# Altium PCB drac_v3.PcbDoc (part 2 of 5) (continued)
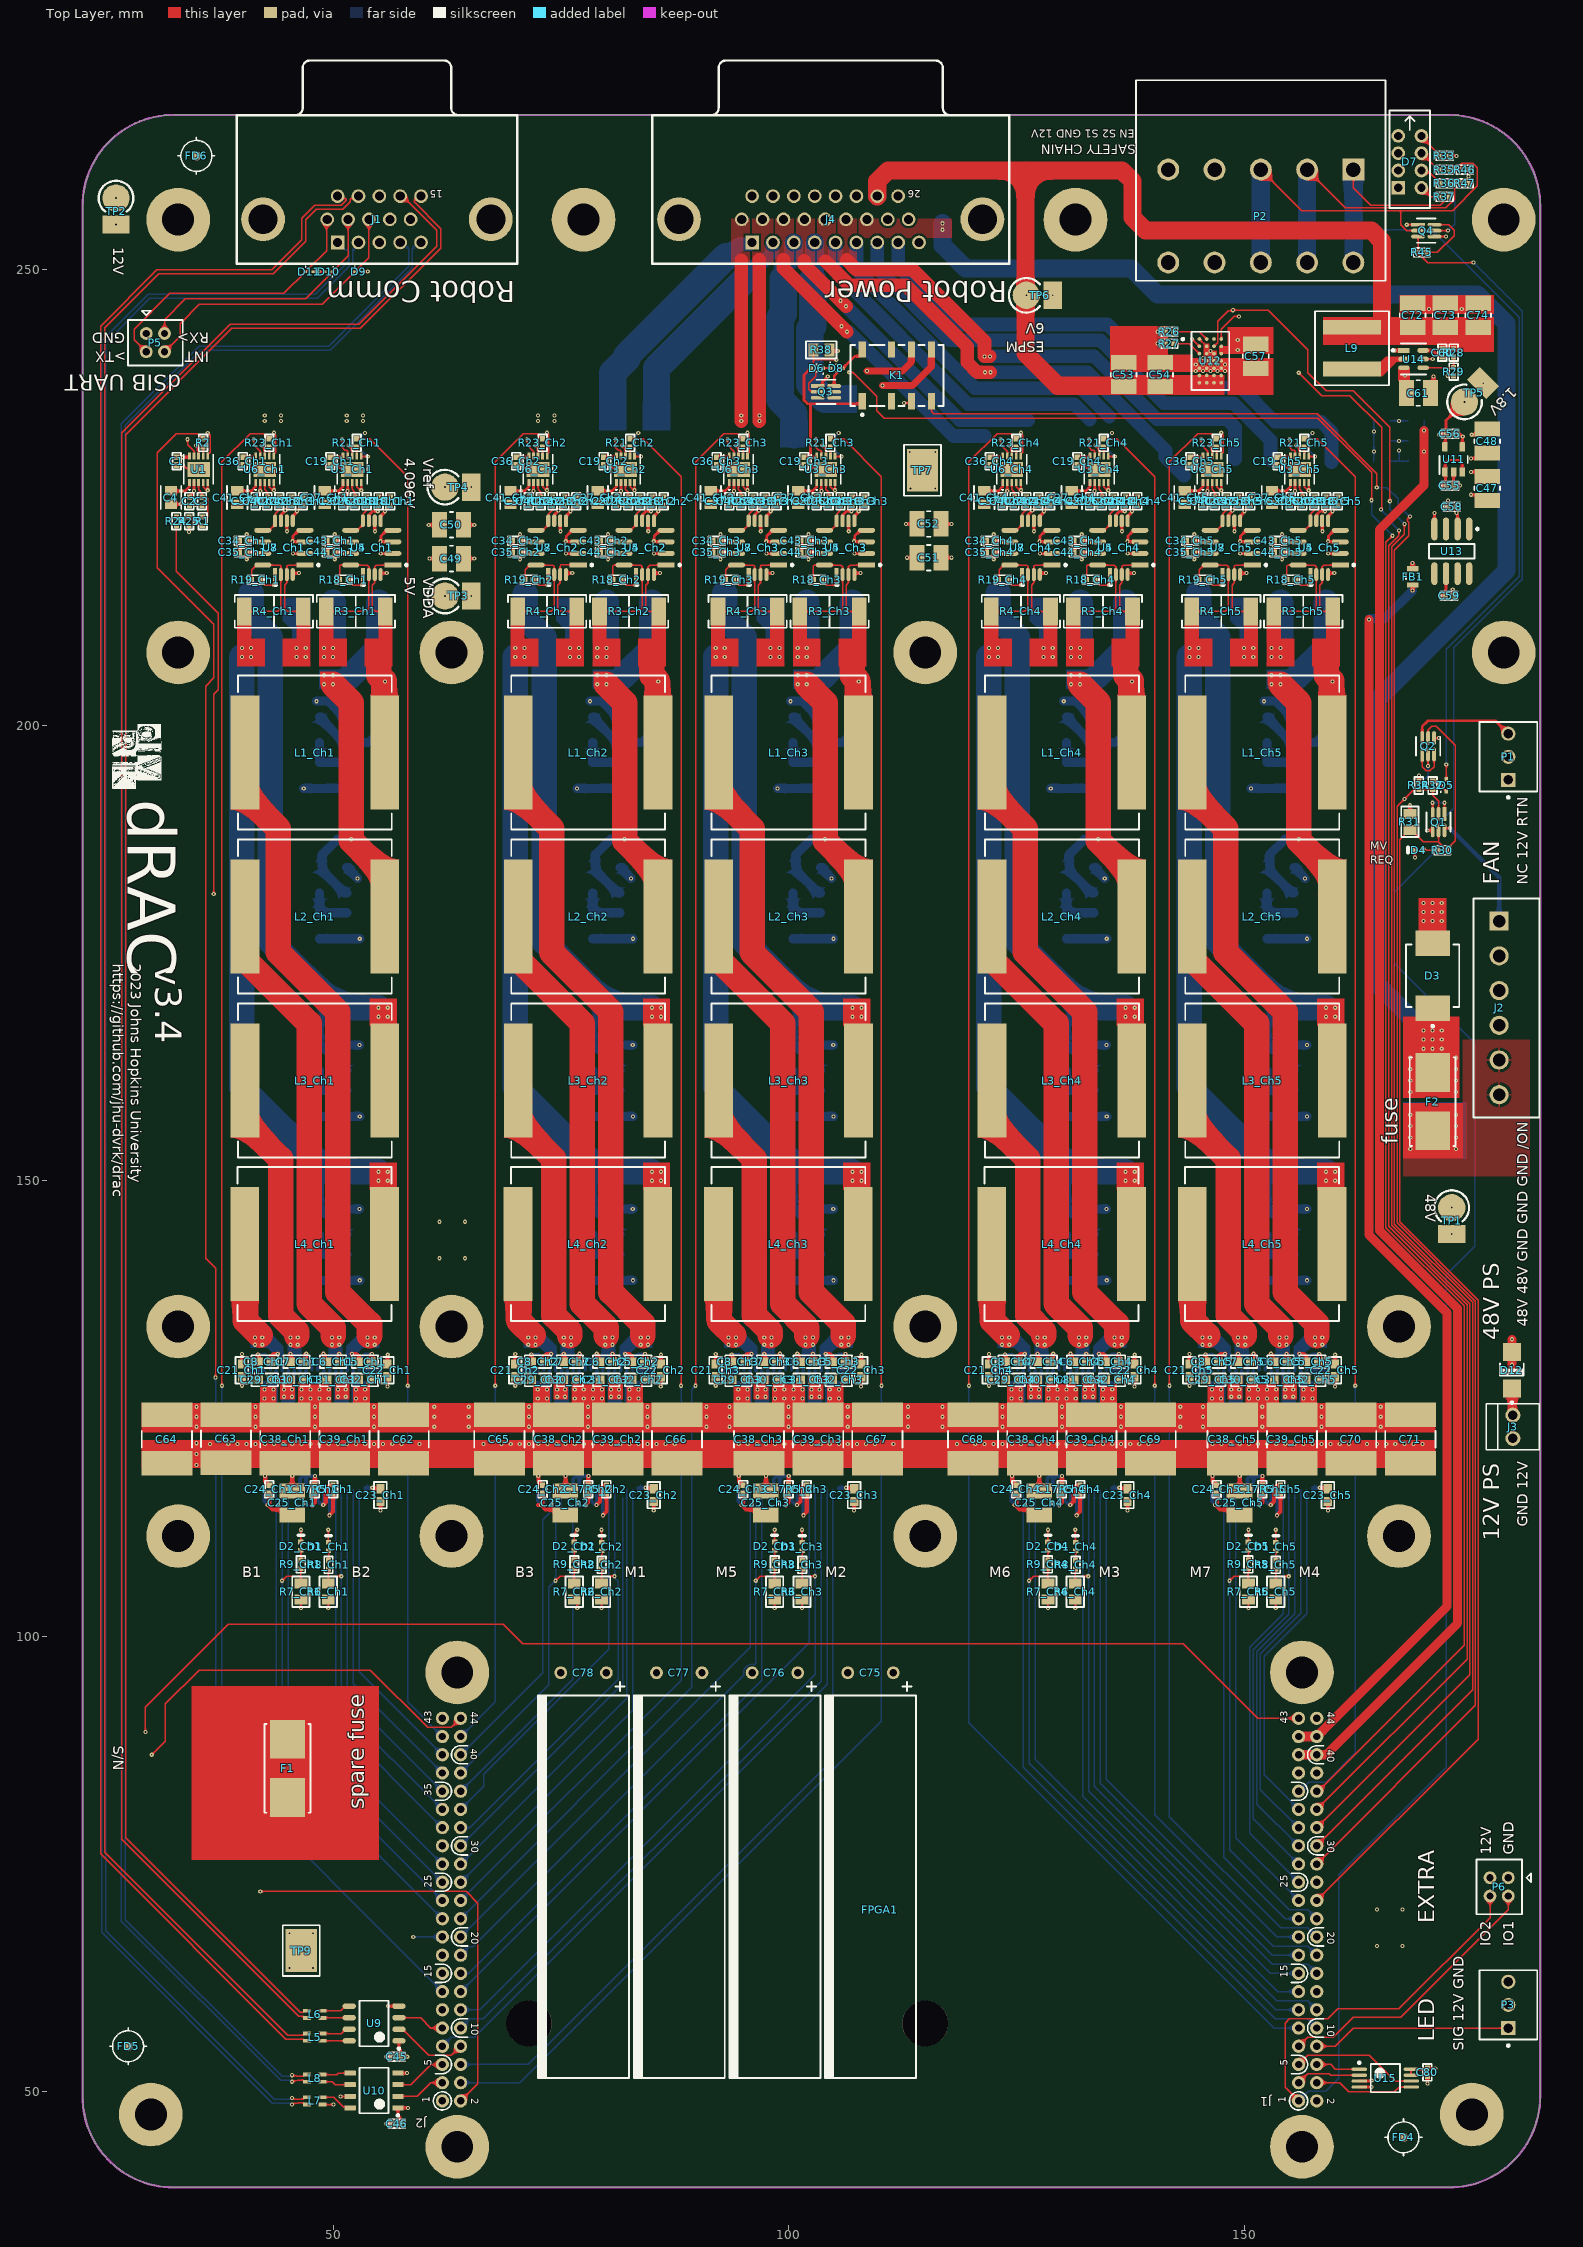
[diagram p0: Top Layer view]
## Part data (continued)
C26_Ch1 C26_Ch2 C26_Ch3 C26_Ch4 C26_Ch5 C40_Ch1 C40_Ch2 C40_Ch3 C40_Ch4 C40_Ch5: library part 04023C102KAT2A, "CAP CER 1000PF 25V X7R 0402", Capacitance=1000pF, Device Package="0402 (1005 Metric)", Manufacturer="AVX Corporation", Operating Temperature="-55°C ~ 125°C", Supplier Part Number 1=478-6193-1-ND, Temperature Coefficient=X7R, Tolerance=±10%, Voltage - Rated=25V, Applications="General Purpose", ComponentLink1Description=Datasheet, ComponentLink1URL=http://datasheets.avx.com/X7RDielectric.pdf, ComponentLink2Description="DigiKey Link", ComponentLink2URL=http://digikey.com/product-detail/en/avx-corporation/04023C102KAT2A/478-6193-1-ND/2391392, LastUpdated="2020-09-02 01:02:20.597000", Lifecycle Status=Active, Minimum Order=1, Mounting Type="Surface Mount, MLCC", Package / Case="0402 (1005 Metric)", Packaging=TapeAndReel, Part Number=04023C102KAT2A, Part Status=Active, PartId=3384, Price=0.01, Series=-, Size / Dimension="0.039 L x 0.020 W (1.00mm x 0.50mm)", Supplier 1=DigiKey, Thickness (Max)="0.022 (0.56mm)"
C38_Ch1 C38_Ch2 C38_Ch3 C38_Ch4 C38_Ch5 C39_Ch1 C39_Ch2 C39_Ch3 C39_Ch4 C39_Ch5 C62 C63 C64 C65 C66 C67 C68 C69 C70 C71: library part CMP-06035-003571-1, "CAP CER 22UF 100V X7R SMD", Capacitance=22uF, Case/Package=SMD/SMT, Max Operating Temperature=125°C, Min Operating Temperature=-55°C, Tolerance=20%, Voltage Rating=100V, Lead/Base Style=J-Lead, Mount="Surface Mount", Packaging="Cut Tape", Supplier 1="Arrow Electronics", Supplier Part Number 1=KRM55WR72A226MH01L
C55 C56 C58 C59: library part GRM155R70J105KA12J, "CAP CER 1UF 6.3V X7R 0402", Device Package="0402 (1005 Metric)", Manufacturer="Murata Electronics", Operating Temperature="-55°C ~ 125°C", Supplier Part Number 1=490-13339-1-ND, Temperature Coefficient=X7R, Tolerance=±10%, Voltage - Rated=6.3V, Applications="General Purpose", Capacitance=1µF, ComponentLink1Description=Datasheet, ComponentLink1URL=https://search.murata.co.jp/Ceramy/image/img/A01X/G101/ENG/GRM155R70J105KA12-01.pdf, ComponentLink2Description="DigiKey Link", ComponentLink2URL=http://digikey.com/product-detail/en/murata-electronics/GRM155R70J105KA12J/490-13339-1-ND/5973350, LastUpdated="9/2/2020 1:02:22 AM", Lifecycle Status=Active, Minimum Order=1, Mounting Type="Surface Mount, MLCC", Package / Case="0402 (1005 Metric)", Packaging=TapeAndReel, Part Number=GRM155R70J105KA12J, Part Status=Active, PartId=2890, Price=0.01, Series=GRM, Size / Dimension="0.039\" L x 0.020\" W (1.00mm x 0.50mm)", Supplier 1=DigiKey, Thickness (Max)="0.022\" (0.55mm)"
C75 C76 C77 C78: library part "Polarised Capacitor", "TXW Series 100 V 220 uF 10 x 40 mm LS=5 mm Radial Aluminum Electrolytic", Capacitance=220uF, Case/Package=Radial, Manufacturer=Rubycon, Manufacturer Part Number=100TXW220MEFC10X40, Max Operating Temperature=105°C, Min Operating Temperature=-25°C, Package Quantity=500, Ripple Current=1.3A, Supplier Part Number 1=08X4753, Tolerance=20%, Voltage Rating=100V, Category="Aluminum Electrolytic Capacitors", ComponentLink1Description=https://datasheet.ciiva.com/6315/e-txw-6315783.pdf?src-supplier=Digi-Key, ComponentLink1URL=https://datasheet.ciiva.com/6315/e-txw-6315783.pdf?src-supplier=Digi-Key, ComponentLink2Description=https://datasheet.ciiva.com/22732/1910944-22732303.pdf?src-supplier=Element14, ComponentLink2URL=https://datasheet.ciiva.com/22732/1910944-22732303.pdf?src-supplier=Element14, Diameter=10mm, Height=40mm, Height - Seated (Max)=1.654inch, Lead Free="Lead Free", Lead Pitch=0.197inch, Life (Hours)=10000Hour, Mount="Through Hole", Packaging=Bulk, Pricing 1="1=2.39000, 10=1.89000, 25=1.76000, 50=1.64000, 100=1.41000, 500=1.07000 (USD)", REACH SVHC="No SVHC", RoHS=Yes, RoHS Compliant=Yes, Series=TXW, Stock 1=1030, Supplier 1=Newark, Voltage Rating (DC)=100V
D1_Ch1 D1_Ch2 D1_Ch3 D1_Ch4 D1_Ch5 D2_Ch1 D2_Ch2 D2_Ch3 D2_Ch4 D2_Ch5 D4: "LED ORANGE CLEAR CHIP SMD", Case Code (Imperial)=0402, Case Code (Metric)=1005, Color=Orange, Forward Current=20mA, Forward Voltage=2.1V, Lens Color=Clear, Manufacturer=Kingbright, Manufacturer Part Number=APHHS1005SECK, Max Operating Temperature=85°C, Min Operating Temperature=-40°C, Package Quantity=2000, Supplier Part Number 1=754-1103-1-ND, Case/Package=0402, Category=LEDs, ComponentLink1Description=https://datasheet.ciiva.com/2114/aphhs1005seck-2114149.pdf?src-supplier=Digi-Key, ComponentLink1URL=https://datasheet.ciiva.com/2114/aphhs1005seck-2114149.pdf?src-supplier=Digi-Key, ComponentLink2Description=https://datasheet.ciiva.com/4688/aphhs1005seck-36485-4688716.pdf?src-supplier=Mouser, ComponentLink2URL=https://datasheet.ciiva.com/4688/aphhs1005seck-36485-4688716.pdf?src-supplier=Mouser, ComponentLink3Description=https://datasheet.ciiva.com/2114/aphhs1005seck-2114150.pdf?src-supplier=Digi-Key, ComponentLink3URL=https://datasheet.ciiva.com/2114/aphhs1005seck-2114150.pdf?src-supplier=Digi-Key, ComponentLink4Description=https://datasheet.ciiva.com/16412/aphhs1005seck-16412186.pdf?src-supplier=Future+Electronics, ComponentLink4URL=https://datasheet.ciiva.com/16412/aphhs1005seck-16412186.pdf?src-supplier=Future+Electronics, ComponentLink5Description=https://datasheet.ciiva.com/2114/aphhs1005seck-2114151.pdf?src-supplier=Digi-Key, ComponentLink5URL=https://datasheet.ciiva.com/2114/aphhs1005seck-2114151.pdf?src-supplier=Digi-Key, Dominant Wavelength=601nm, Height=0.6mm, Illumination Color=Orange, Lead Free="Lead Free", Length=1mm, Lens Style=Clear,Flat, Luminous Intensity=240mcd, Mount="Surface Mount", Number of LEDs=1, Number of Pins=2, Packaging="Tape and Reel", Pricing 1="1=0.49000, 10=0.32500, 100=0.21700, 500=0.15010, 1000=0.12508 (USD)", RoHS=Yes, RoHS Compliant=Yes, Series=APHHS, Stock 1=25673, Supplier 1=Digi-Key, Test Current=20mA, Viewing Angle=120°, Wavelength=601nm, Width=0.5mm
D3: library part CMP-1061-00550-1, "1500 W Peak Power Zener Transient Voltage Suppressor, Unidirectional, 2-Pin SMC, Pb-Free, Tape and Reel", Manufacturer="On Semiconductor", ComponentLink1Description="Manufacturer URL", ComponentLink1URL=http://www.onsemi.com/, ComponentLink2Description=Datasheet, ComponentLink2URL=http://www.onsemi.com/pub_link/Collateral/1SMC5.0AT3-D.PDF, ComponentLink3Description="Package Specification", ComponentLink3URL=http://www.onsemi.com/pub_link/Collateral/403-03.PDF, DatasheetVersion="Rev. 8", Direction=Unidirectional, IR Max (uA)=5, Mounting Technology="Surface Mount", PackageDescription="2-Pin Small Molded Package, J-Bend Lead, Body 5.845 x 6.855 mm", PackageReference=SMC-2-403-03, PackageVersion="Rev. E, 08/2005", Packing="Tape and Reel", PartNumber=1SMC48AT3G, PPK Max (W)=1500, RoHS=Pb-Free, V(BR) Typ (V)=56.1
D5 D6 D8: library part CMP-1060-00793-1, "Zener Voltage Regulator, 500 mW, 2-Pin SOD-523, Pb-Free, Tape and Reel", Manufacturer="On Semiconductor", ComponentLink1Description="Manufacturer URL", ComponentLink1URL=http://www.onsemi.com/, ComponentLink2Description=Datasheet, ComponentLink2URL=http://www.onsemi.cn/pub_link/Collateral/MM5Z2V4T1-D.PDF, ComponentLink3Description="Package Specification", ComponentLink3URL=http://www.onsemi.com/pub_link/Collateral/502-01.PDF, DatasheetVersion="Rev. 10", Mounting Technology="Surface Mount", P Max (W)=0.5, PackageDescription="2-Pin SOD, Body 1.2 x 0.8 mm", PackageReference=SOD-523-2-502-01, PackageVersion="Rev. E, 09/2010", Packing="Tape and Reel", PartNumber=MM5Z15VT1G, RoHS=Pb-Free, VZ Typ (V)=15
D7: "Triple Green T-1 3mm 40° Green Diffused 30 mcd 2.2 V LED Indicator Through Hole", Color=Green, Current=25mA, Forward Current=20mA, Forward Voltage=2.2V, Manufacturer=Kingbright, Package Quantity=600, Supplier Part Number 1=754-1749-5-ND, Category=LEDs, ComponentLink1Description=https://datasheet.ciiva.com/26291/wp934sb-4gd-26291283.pdf?src-supplier=Digi-Key, ComponentLink1URL=https://datasheet.ciiva.com/26291/wp934sb-4gd-26291283.pdf?src-supplier=Digi-Key, ComponentLink2Description=https://datasheet.ciiva.com/12414/wp934sb-4gd-13439-12414341.pdf?src-supplier=Mouser, ComponentLink2URL=https://datasheet.ciiva.com/12414/wp934sb-4gd-13439-12414341.pdf?src-supplier=Mouser, ComponentLink3Description=https://datasheet.ciiva.com/2137/wp934sb-4gd-2137244.pdf?src-supplier=Digi-Key, ComponentLink3URL=https://datasheet.ciiva.com/2137/wp934sb-4gd-2137244.pdf?src-supplier=Digi-Key, Illumination Color=Green, Lead Free="Lead Free", Lens Style=Diffused,Tinted, Luminous Intensity=25mcd, Manufacturer Part Number=WP934SB/4GD, Mount="Through Hole", Packaging=Bulk, Pricing 1="1=1.91000, 10=1.20600, 100=0.89230, 500=0.81992, 1000=0.68250 (USD)", RoHS=Yes, RoHS Compliant=Yes, Series=-, Stock 1=28787, Supplier 1=Digi-Key, Viewing Angle=40°, Voltage Rating=2.2V, Wavelength=568nm
D9 D10 D11: library part CMP-1063-00113-1, "Transient Voltage Suppressor, ESD Protection Diode with Ultra-Low Capacitance, 2-Pin SOD-923, Pb-Free, Tape and Reel", Manufacturer="On Semiconductor", C Max (pF)=0.9, ComponentLink1Description="Manufacturer URL", ComponentLink1URL=http://www.onsemi.com/, ComponentLink2Description=Datasheet, ComponentLink2URL=http://www.onsemi.cn/pub_link/Collateral/ESD9L-D.PDF, ComponentLink3Description="Package Specification", ComponentLink3URL=http://www.onsemi.com/pub_link/Collateral/514AB.PDF, DatasheetVersion="Rev. 5", Direction=Unidirectional, IR Max (uA)=1, Mounting Technology="Surface Mount", Number of Lines=1, PackageDescription="2-Pin SOD, Body 0.8 x 0.6 mm", PackageReference=SOD-923-2-514AB-01, PackageVersion="Rev. C, 03/2011", Packing="Tape and Reel", PartNumber=ESD9L3.3ST5G, RoHS=Pb-Free, V(BR) Min (V)=4.8, VRWM Max (V)=3.3
D12: library part CMP-1061-00233-1, "400 W Peak Power Zener Transient Voltage Suppressor, 2-Pin SMA, Pb-Free, Tape and Reel", Manufacturer="On Semiconductor", ComponentLink1Description="Manufacturer URL", ComponentLink1URL=http://www.onsemi.com/, ComponentLink2Description=Datasheet, ComponentLink2URL=http://www.onsemi.com/pub_link/Collateral/1SMA5.0AT3-D.PDF, ComponentLink3Description="Package Specification", ComponentLink3URL=http://www.onsemi.com/pub_link/Collateral/1SMA5913BT3-D.PDF, DatasheetVersion="Rev. 14", Direction=Unidirectional, IR Max (uA)=2.5, Mounting Technology="Surface Mount", PackageDescription="2-Pin Small Molded Package, J-Bend Lead, Body 2.605 x 4.315 mm", PackageReference=SMA-2-403D-02_F, PackageVersion="Rev. F, 11/2008", Packing="Tape and Reel", PartNumber=1SMA12AT3G, PPK Max (W)=400, RoHS=Pb-Free, V(BR) Typ (V)=14
F1 F2: library part CMP-08605-000019-1, "FUSE BRD MNT 7A 72VAC 60VDC 2SMD", Fuse Current=7A, Manufacturer="Littelfuse Inc", Max Fuse Ac Voltage=72V, Max Fuse Dc Voltage=60V, Package=0154, Temperature="-55°C to +125°C", Temperature Range High=+125°C, Temperature Range Low=-55°C, Automotive=No, Category=Fuse, ComponentLink2Description=Datasheet, ComponentLink2URL=https://www.littelfuse.com/~/media/electronics/datasheets/fuses/littelfuse_fuse_154_154t_154l_154tl_datasheet.pdf.pdf, Device Class L1="Circuit Protection", Device Class L2=Fuses, Device Class L3=unset, Digikey Description="FUSE BRD MNT 7A 72VAC 60VDC 2SMD", Fuse Blow Speed=Slow, Height=3.81mm, Lead Free=Yes, Manufacturer Part Number=0154007.DRT, Mouser Description="Surface Mount Fuses ACS SMF OMNI-BLOK SB RoHS 7A", Octopart=https://octopart.com/0154007.drt-littelfuse-19644006, RoHS=TRUE
FB1: library part CMP-0686-00665-3, "Chip Ferrite Bead, 0805, 1000Ω @ 100MHz, 0.27Ω, 25%, 600mA", Case Code (Imperial)=0805, Case Code (Metric)=2012, Current Rating=500mA, DC Current=200mA, DC Resistance (DCR)=280mR, Frequency=100MHz, Max Current Rating=600mA, Max Operating Temperature=125°C, Min Operating Temperature=-55°C, Package Quantity=1, Tolerance=25%, Case/Package=0805, Core Material=Ferrite, Depth=1.25mm, Height=0.85mm, Impedance=1kR, Lead Free="Lead Free", Length=2mm, Material=Steel, Max DC Current=200mA, Military Standard=Not, Number of Circuits=1, Number of Lines=1, Number of Pins=2, Packaging="Tape and Reel", Radiation Hardening=No, REACH SVHC="No SVHC", Shielding=Unshielded, Termination=SMD/SMT, Test Frequency=100MHz, Weight=0.000194oz, Width=1.25mm
FPGA1: library part fpga_dummy, ClassName=noclearancecheck
J1: library part 618015325223, "WR-DSUB Female High Density Angled PCB Connector without Hex Screw, 15p", Manufacturer="Wurth Electronics", Supplier Part Number 1=732-618015325223-ND, Category="D-Sub Connectors", ComponentLink1Description=Manufacturer, ComponentLink1URL=http://www.we-online.de, ComponentLink2Description=Datasheet, ComponentLink2URL=http://katalog.we-online.de/em/datasheet/6180xx325223.pdf, Manufacturer Part Number=618015325223, PartNumber=618015325223, PinNumber=15, Pricing 1="1=4.02000, 10=3.81000, 50=3.38400, 100=2.95200, 250=2.53200, 500=2.25600 (USD)", Published="June 2016", Publisher="Wurth Elektronik", RoHS=Yes, RoHS Compliant=Yes, Stock 1=157, Supplier 1=Digi-Key
J2: library part CMP-1502-01867-1, "Serie 321 - 3.81mm Vertical PCB Header WR-TBL, 6 pin", Manufacturer="Wurth Elektronik", Operating Temperature=-40to105degC, Datasheet URL=http://katalog.we-online.de/em/datasheet/6913213000xx.pdf, Gender=Male, Manufacturer URL=http://www.we-online.de, Mounting Technology=THT, Package Reference=691321300006, Packaging=Box, Part Number=691321300006, Pin Number=6, Pitch=3.81mm, Publisher=WurthElektronik
J3: library part "HEADER 2", "TE Connectivity MTA-100 Series, 2.54mm Pitch 2 Way 1 Row Straight PCB Header, Solder Termination, 5A", Color=Natural,White,Beige, Colour=White,Natural,Beige, Contact Current Rating=5A, Contact Resistance=6mR, Flammability Rating="UL94 V-0", Housing Color=Natural, Manufacturer="TE Connectivity", Manufacturer Part Number=640457-2, Max Operating Temperature=221°C, Max Voltage Rating (AC)=250V, Min Operating Temperature=-67°C, Package Quantity=1, Supplier Part Number 1=A19423-ND, Approvals=CSA, Backwall/Post Interruptions="No (Without)", Category=Connectors, ComponentLink1Description=https://datasheet.ciiva.com/709/eng-cd-640457-s2-709682.pdf, ComponentLink1URL=https://datasheet.ciiva.com/709/eng-cd-640457-s2-709682.pdf, ComponentLink2Description=https://datasheet.ciiva.com/14640/70083657-14640359.pdf, ComponentLink2URL=https://datasheet.ciiva.com/14640/70083657-14640359.pdf, ComponentLink3Description=https://datasheet.ciiva.com/3118/eng-ds-82056-mta-0608-3118505.pdf, ComponentLink3URL=https://datasheet.ciiva.com/3118/eng-ds-82056-mta-0608-3118505.pdf, ComponentLink4Description=https://datasheet.ciiva.com/11750/0900766b806a960f-11750281.pdf, ComponentLink4URL=https://datasheet.ciiva.com/11750/0900766b806a960f-11750281.pdf, ComponentLink5Description=https://datasheet.ciiva.com/30192/8852eng-ds-82056-mta-0608-30192537.pdf, ComponentLink5URL=https://datasheet.ciiva.com/30192/8852eng-ds-82056-mta-0608-30192537.pdf, ComponentLink6Description=https://datasheet.ciiva.com/16395/eng-ds-82056-mta-0608-16395963.pdf, ComponentLink6URL=https://datasheet.ciiva.com/16395/eng-ds-82056-mta-0608-16395963.pdf, ComponentLink7Description=https://datasheet.ciiva.com/25618/0900766b80e9e25b-25618125.pdf, ComponentLink7URL=https://datasheet.ciiva.com/25618/0900766b80e9e25b-25618125.pdf, ComponentLink8Description=https://datasheet.ciiva.com/16505/eng-ds-82056-mta-0608-16505423.pdf, ComponentLink8URL=https://datasheet.ciiva.com/16505/eng-ds-82056-mta-0608-16505423.pdf, ComponentLink9Description=https://datasheet.ciiva.com/16656/eng-ds-82056-mta-0608-16656527.pdf, ComponentLink9URL=https://datasheet.ciiva.com/16656/eng-ds-82056-mta-0608-16656527.pdf, ComponentLink10Description=https://datasheet.ciiva.com/15175/getdatasheetpartid-46749-15175703.pdf?src-supplier=Verical, ComponentLink10URL=https://datasheet.ciiva.com/15175/getdatasheetpartid-46749-15175703.pdf?src-supplier=Verical, ComponentLink11Description=https://datasheet.ciiva.com/16394/eng-ds-82056-mta-0608-16394202.pdf?src-supplier=Future+Electronics, ComponentLink11URL=https://datasheet.ciiva.com/16394/eng-ds-82056-mta-0608-16394202.pdf?src-supplier=Future+Electronics, ComponentLink12Description=https://datasheet.ciiva.com/6045/1650873-6045536.pdf?src-supplier=Farnell, ComponentLink12URL=https://datasheet.ciiva.com/6045/1650873-6045536.pdf?src-supplier=Farnell, ComponentLink13Description=https://datasheet.ciiva.com/11746/0900766b806b3bd3-11746906.pdf?src-supplier=RSComponents, ComponentLink13URL=https://datasheet.ciiva.com/11746/0900766b806b3bd3-11746906.pdf?src-supplier=RSComponents, ComponentLink14Description=https://datasheet.ciiva.com/7703/eng-ds-82056-mta-0608-7703518.pdf?src-supplier=Element14, ComponentLink14URL=https://datasheet.ciiva.com/7703/eng-ds-82056-mta-0608-7703518.pdf?src-supplier=Element14, ComponentLink15Description=https://datasheet.ciiva.com/3118/eng-ds-82056-mta-0608-3118490.pdf?src-supplier=Avnet, ComponentLink15URL=https://datasheet.ciiva.com/3118/eng-ds-82056-mta-0608-3118490.pdf?src-supplier=Avnet, ComponentLink16Description=https://datasheet.ciiva.com/709/eng-cd-640454-y2-709679.pdf?src-supplier=Digi-Key, ComponentLink16URL=https://datasheet.ciiva.com/709/eng-cd-640454-y2-709679.pdf?src-supplier=Digi-Key, ComponentLink17Description=https://datasheet.ciiva.com/16684/eng-ds-82056-mta-0608-16684984.pdf?src-supplier=Avnet+Europe, ComponentLink17URL=https://datasheet.ciiva.com/16684/eng-ds-82056-mta-0608-16684984.pdf?src-supplier=Avnet+Europe, Connector System=Wire-to-Board, Connector Type=Plug,Header,Pin, Contact Gender=Male, Contact Material="Copper Alloy", Contact Mating Length=0.295inch, Contact Plating=Tin, Contact Post Length=3.56mm, Contact Retention="No (Without)", Contact Shape=Square, Contact Style=Straight, Contact Type="Male Pin", Current Rating=5A, Depth=11.04mm, ELV=Compliant, Fastening Type=Friction, Gender=Male, Height=7.75mm, Housing Material=Polyester, Lead Free="Lead Free", Length=5.08mm, Mating Alignment="No (Without)", Mating Retention="No (Without)", Mount="Through Hole", Number of Contacts=2, Number of Positions=2, Number of Rows=1, Orientation="Right Angle", Packaging=Bulk, PCB Mount Alignment="No (Without)", PCB Mount Retention=Without, PCB Mounting Orientation=Vertical, PCB Thickness=0.063inch, Pitch=2.54mm, Plating Thickness=3.81um, Pricing 1="1=0.14, 10=0.127, 100=0.0783, 500=0.06482, 1000=0.05672, 5000=0.04862, 10000=0.04727 (USD)", Pricing 2="1=0.10000, 10=0.09400, 100=0.05800, 500=0.04802, 1000=0.04202, 5000=0.03601, 10000=0.03501 (USD)", Radiation Hardening=No, REACH SVHC=Unknown, RoHS=Yes, RoHS Compliant=Yes, Sealable="No (Without)", Series=MTA-100, Shrouded="No (Without)", Stock 1=10901, Stock 2=28315, Strain Relief="No (Without)", Supplier 1=Digi-Key, system=connector, Tail Length=3.56mm, Termination=Solder, Termination Post Length=3.56mm, Underplate Material=Nickel, Voltage Rating=250V
J4: library part 618026325223, "WR-DSUB Female High Density Angled PCB Connector without Hex Screw, 26p", Manufacturer="Wurth Electronics", Supplier Part Number 1=732-618026325223-ND, ComponentLink1Description=Manufacturer, ComponentLink1URL=http://www.we-online.de, ComponentLink2Description=Datasheet, ComponentLink2URL=http://katalog.we-online.de/em/datasheet/6180xx325223.pdf, Manufacturer Part Number=618026325223, PartNumber=618026325223, PinNumber=26, Pricing 1="1=8.10000, 10=7.69500, 50=7.15500, 100=6.75000, 250=6.21000, 500=5.40002 (USD)", Published="June 2016", Publisher="Wurth Elektronik", RoHS=Yes, RoHS Compliant=Yes, Stock 1=325, Supplier 1=Digi-Key, system=connector
K1: library part CMP-08823-000034-1, "RELAY TELECOM DPDT 1A 3VDC", Coil Current=33mA, Coil Power=100mW, Coil Resistance=91R, Coil Voltage (DC)=3V, Contact Current Rating=1A, Manufacturer=Omron, Manufacturer Part Number=G6K-2G-Y-DC3, Max Operating Temperature=70°C, Max Voltage Rating (AC)=125V, Max Voltage Rating (DC)=60V, Min Operating Temperature=-40°C, Package Quantity=500, Supplier Part Number 1=Z3634-ND, Category="Signal Relays", Coil Type=Non-Latching, ComponentLink1Description=https://datasheet.ciiva.com/30212/81en-g6k-30212142.pdf?src-supplier=Onlinecomponents.com, ComponentLink1URL=https://datasheet.ciiva.com/30212/81en-g6k-30212142.pdf?src-supplier=Onlinecomponents.com, Contact Material=Gold, Lead Free="Lead Free", Max Current Rating=1A, Mount="Surface Mount", Number of Pins=8, Operate Time=3ms, Packaging=Rail/Tube, Power Consumption=100mW, Pricing 1="1=4.45000, 10=4.16900, 25=3.70600, 40=3.52050, 80=3.33525, 230=2.96470, 500=2.77940, 1000=2.59411 (USD)", Radiation Hardening=No, Relay Type=Telecom, Release Time=3ms, RoHS=Yes, Series=G6K, Stock 1=11994, Supplier 1=Digi-Key, Termination="Gull Wing", Throw Configuration=DPDT, Weight=0.7g
L1_Ch1 L1_Ch2 L1_Ch3 L1_Ch4 L1_Ch5 L2_Ch1 L2_Ch2 L2_Ch3 L2_Ch4 L2_Ch5 L3_Ch1 L3_Ch2 L3_Ch3 L3_Ch4 L3_Ch5 L4_Ch1 L4_Ch2 L4_Ch3 L4_Ch4 L4_Ch5: library part Ind_0805, "Inductor Power Shielded Wirewound 33uH 20% 100KHz 20Q-Factor Carbonyl Powder 10.7A 0.044Ohm DCR Automotive T/R", Case Code (Imperial)=0805, Case Code (Metric)=2012, Current Rating=6A, DC Resistance (DCR)=10mR, Inductance=100uH, Inductance Tolerance=20%, Manufacturer=TDK, Manufacturer Part Number=MPZ2012S300AT000, Max Operating Temperature=150°C, Min Operating Temperature=-40°C, Package Quantity=1, Ratings=AEC-Q200, Resistor Type=Wirewound, RMS Current (Irms)=5.3A, Saturation Current=6.5A, Self Resonant Frequency=2MHz, Supplier Part Number 1=SRP1770TA-330MCT-ND, Test Frequency=100kHz, Case/Package=0805, Category="Fixed Inductors", ComponentLink1Description=https://datasheet.ciiva.com/46381/1750041-46381644.pdf, ComponentLink1URL=https://datasheet.ciiva.com/46381/1750041-46381644.pdf, ComponentLink2Description=https://datasheet.ciiva.com/48682/beads-commercial-power-mpz-en-48682508.pdf, ComponentLink2URL=https://datasheet.ciiva.com/48682/beads-commercial-power-mpz-en-48682508.pdf, ComponentLink3Description=https://datasheet.ciiva.com/8077/55169-8077085.pdf, ComponentLink3URL=https://datasheet.ciiva.com/8077/55169-8077085.pdf, ComponentLink4Description=https://datasheet.ciiva.com/8077/55169-8077086.pdf, ComponentLink4URL=https://datasheet.ciiva.com/8077/55169-8077086.pdf, ComponentLink5Description=https://datasheet.ciiva.com/46634/beads-commercial-power-mpz-en-46634590.pdf, ComponentLink5URL=https://datasheet.ciiva.com/46634/beads-commercial-power-mpz-en-46634590.pdf, ComponentLink6Description=https://datasheet.ciiva.com/46634/beads-commercial-power-mpz-en-46634367.pdf, ComponentLink6URL=https://datasheet.ciiva.com/46634/beads-commercial-power-mpz-en-46634367.pdf, ComponentLink7Description=http://www.farnell.com/datasheets/2360566.pdf?src-supplier=Farnell, ComponentLink7URL=http://www.farnell.com/datasheets/2360566.pdf?src-supplier=Farnell, ComponentLink8Description=http://www.farnell.com/datasheets/1955470.pdf?src-supplier=Element14, ComponentLink8URL=http://www.farnell.com/datasheets/1955470.pdf?src-supplier=Element14, ComponentLink9Description=http://www.bourns.com/docs/Product-Datasheets/SRP1770TA.pdf?src-supplier=Digi-Key, ComponentLink9URL=http://www.bourns.com/docs/Product-Datasheets/SRP1770TA.pdf?src-supplier=Digi-Key, ComponentLink10Description=https://www.bourns.com/docs/Product-Datasheets/SRP1770TA.pdf?src-supplier=Digi-Key, ComponentLink10URL=https://www.bourns.com/docs/Product-Datasheets/SRP1770TA.pdf?src-supplier=Digi-Key, ComponentLink11Description=http://www.farnell.com/datasheets/1955470.pdf?src-supplier=Farnell, ComponentLink11URL=http://www.farnell.com/datasheets/1955470.pdf?src-supplier=Farnell, Core Material=Ferrite, Depth=1.25mm, Height=0.041inch, Height - Seated (Max)=0.276inch, Impedance=30R, Lead Free="Lead Free", Length=0.079inch, Max DC Current=6A, Mount="Surface Mount", Number of Pins=3, Packaging="Tape and Reel", Pricing 1="1=0.11, 10=0.091, 25=0.0704, 50=0.0584, 100=0.0503, 250=0.04028, 500=0.03624, 1000=0.0302 (USD)", Pricing 2="1=4.75000, 10=4.35200, 25=3.95640, 50=3.32340, 100=2.84860 (USD)", REACH SVHC="No SVHC", RoHS=Yes, RoHS Compliant=Yes, Shielding=Shielded, Stock 1=117704, Stock 2=10, Supplier 1=Digi-Key, Tolerance=20%, Width=0.049inch
L5 L6 L7 L8: library part CMP-0222-00042-1, "SMD Common Mode Noise Suppressor WE-CNSW, Z = 370 Ohm", ComponentLink1Description="Manufacturer Link", ComponentLink1URL=http://www.we-online.com, ComponentLink2Description=Datasheet, ComponentLink2URL=http://www.we-online.de/katalog/media/pdf/744231371.pdf, DatasheetVersion="ver 4, Nov-2010", Impedance="370 Ohm", PackageDescription="SMD Inductor, 4-Leads, Body 1.4 x 2.2 mm", PackageReference=WE-CNSW-0805, PackageVersion=2010
L9: library part INDUCTOR
P1 P3: library part CMP-2000-05242-1, "Male Header, Pitch 2.54 mm, 1 x 3 Position, Height 8.18 mm, Tail Length 3.56 mm, RoHS, Bulk", Current Rating=4A, Manufacturer=Molex, Voltage Rating=250V, Brand=Molex, Contact Gender=Pin(Male), Contact Material=Brass, Contact Plating=Tin, Datasheet URL=https://datasheet.ciiva.com/19472/232274-19472863.pdf, Datasheet Version=Sep-01, Factory Pack Quantity=16000, Housing Material=Nylon, Manufacturer URL=http://www.molex.com/, Mounting Angle=Vertical, Mounting Style=ThroughHole, Number of Positions=3Position, Number of Rows=1Row, Packaging=Bulk, Pitch=2.54mm, Product=Headers, Product Category=Headers&WireHousings, RoHS=Details, Series=6373, Termination Style=ThroughHole, Tradename=KK, Type=Locking